# KiCad board EC_Rev2.kicad_pcb
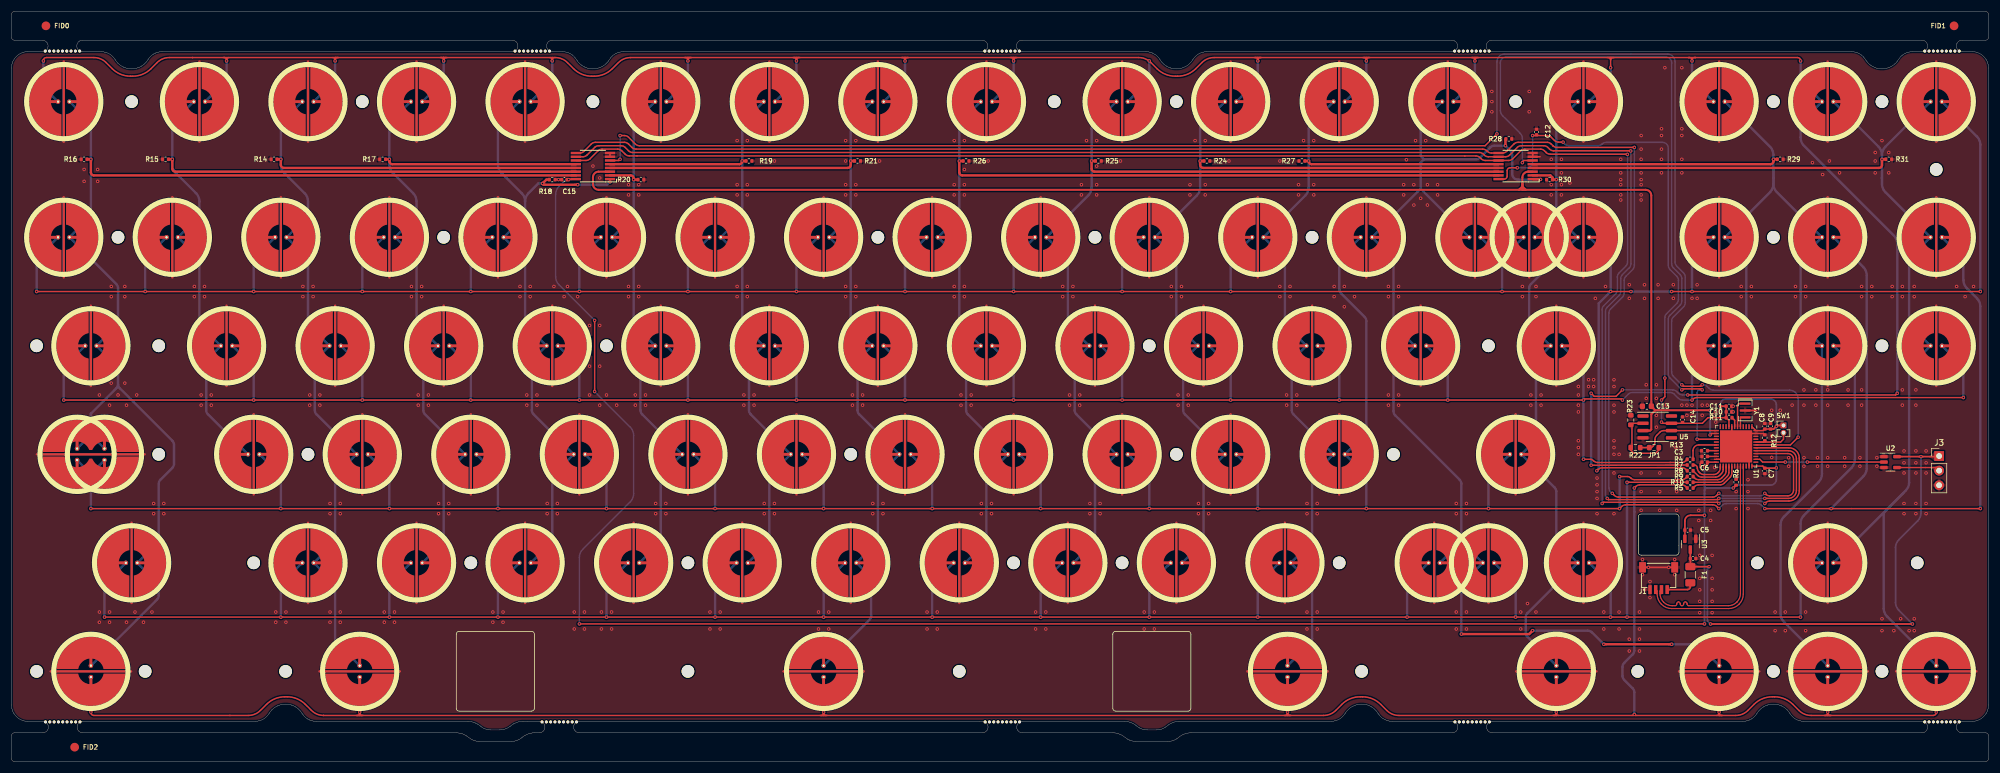
[diagram p0: board, top side]
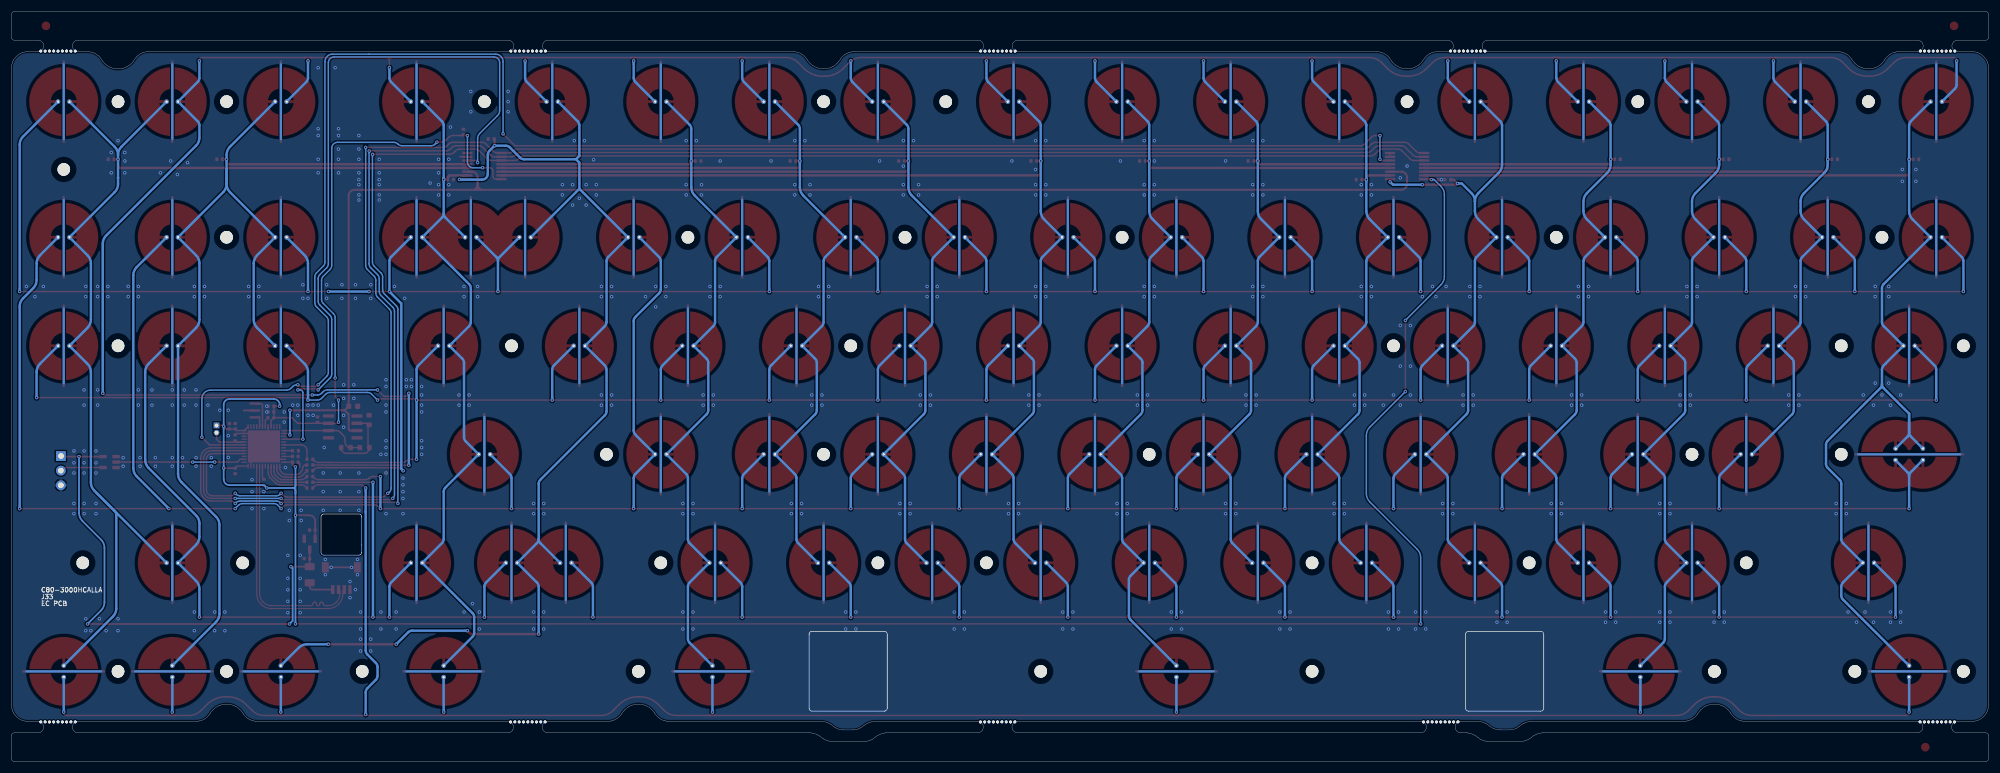
[diagram p1: board, bottom side, seen from below]

Outline 344.23 x 130.62 mm; copper layers: Top, Bottom. Coordinates in mm from the lower left corner of the outline.
Outline path: 5.38,123.62 2.85,123.62 arc(0.83,122.79) 0,120.78 0,9.85 arc(0.83,7.83) 2.85,7 5.42,7 ; 5.38,125.62 0.5,125.62 arc(0.15,125.77) 0,126.12 0,130.12 arc(0.15,130.48) 0.5,130.62 343.73,130.62 arc(344.08,130.48) 344.23,130.12 344.23,126.12 arc(344.08,125.77) 343.73,125.62 339.62,125.62 ; 5.42,5 0.5,5 arc(0.15,4.85) 0,4.5 0,0.5 arc(0.15,0.15) 0.5,0 343.73,0 arc(344.08,0.15) 344.23,0.5 344.23,4.5 arc(344.08,4.85) 343.73,5 339.62,5 ; 12.38,125.62 87.17,125.62 ; 12.38,123.62 15.6,123.62 arc(17,123.26) 18.04,122.25 arc(20.91,120.62) 23.78,122.25 arc(24.82,123.26) 26.22,123.62 87.17,123.62 ; 12.42,7 42.41,7 arc(43.82,7.37) 44.86,8.38 arc(47.73,10) 50.59,8.38 arc(51.63,7.37) 53.04,7 79.42,7 arc(80.58,6.79) 81.6,6.19 arc(82.47,5.68) 83.46,5.5 85.04,5.5 arc(86.03,5.68) 86.9,6.19 arc(87.92,6.79) 89.08,7 91.88,7 ; 12.42,5 77.42,5 arc(78.58,4.79) 79.6,4.19 arc(80.47,3.68) 81.46,3.5 87.04,3.5 arc(88.03,3.68) 88.9,4.19 arc(89.92,4.79) 91.08,5 91.88,5 ; 94.17,125.62 168.97,125.62 ; 94.17,123.62 95.93,123.62 arc(97.33,123.26) 98.37,122.25 arc(101.24,120.62) 104.11,122.25 arc(105.15,123.26) 106.55,123.62 168.97,123.62 ; 98.88,5 169.03,5 ; 98.88,7 169.03,7 ; 175.97,125.62 250.78,125.62 ; 176.03,5 191.72,5 arc(192.88,4.79) 193.9,4.19 arc(194.77,3.68) 195.76,3.5 201.34,3.5 arc(202.33,3.68) 203.2,4.19 arc(204.22,4.79) 205.38,5 250.83,5 ; 176.03,7 193.72,7 arc(194.88,6.79) 195.9,6.19 arc(196.77,5.68) 197.76,5.5 199.34,5.5 arc(200.33,5.68) 201.2,6.19 arc(202.22,6.79) 203.38,7 229.76,7 arc(231.17,7.37) 232.21,8.38 arc(235.07,10) 237.94,8.38 arc(238.98,7.37) 240.39,7 250.83,7 ; 175.97,123.62 197.51,123.62 arc(198.92,123.26) 199.96,122.25 arc(202.82,120.62) 205.69,122.25 arc(206.73,123.26) 208.14,123.62 250.78,123.62 ; 257.78,125.62 332.62,125.62 ; 257.78,123.62 320.36,123.62 arc(321.77,123.26) 322.81,122.25 arc(325.68,120.62) 328.54,122.25 arc(329.58,123.26) 330.99,123.62 332.62,123.62 ; 257.83,7 301.46,7 arc(302.87,7.37) 303.91,8.38 arc(306.78,10) 309.64,8.38 arc(310.68,7.37) 312.09,7 332.62,7 ; 257.83,5 332.62,5 ; 283.24,36.43 283.24,42.61 arc(283.39,42.96) 283.74,43.11 289.83,43.11 arc(290.18,42.96) 290.33,42.61 290.33,36.43 ; 283.24,36.43 arc(283.39,36.08) 283.74,35.93 289.83,35.93 arc(290.18,36.08) 290.33,36.43 ; 339.62,123.62 341.38,123.62 arc(343.39,122.79) 344.23,120.78 344.23,9.85 arc(343.39,7.83) 341.38,7 339.62,7
Stack: Top 0.035mm / dielectric 1.51mm FR4 er 4.5 / Bottom 0.035mm

## Placement (name value [footprint] x y rotation side)
C3  4.7u  [C_0402_1005Metric]  294.8 53.13 180 top
C4  1u  [C_0402_1005Metric]  292.79 35.35 0 top
C5  1u  [C_0402_1005Metric]  291.84 40.3 0 top
C6  100n  [C_0402_1005Metric]  294.8 52.13 180 top
C7  100n  [C_0402_1005Metric]  305.28 50.61 270 top
C8  100n  [C_0402_1005Metric]  305.28 58.38 90 top
C9  100n  [C_0402_1005Metric]  306.28 58.38 90 top
C10  100n  [C_0402_1005Metric]  299.03 60.88 0 top
C11  1u  [C_0402_1005Metric]  299.03 61.88 0 top
C12  100n  [C_0402_1005Metric]  265.53 109.63 270 top
C13  220p  [C_0603_1608Metric]  284.74 61.87 180 top
C14  100n  [C_0402_1005Metric]  290.95 59.54 270 top
C15  100n  [C_0402_1005Metric]  96.28 101.34 0 top
F1  500mA  [Fuse_1206_3216Metric]  292.31 32.53 270 top
FID0  MountingHole  [Fiducial_1.5mm_Mask3mm]  6 128.12 0 top
FID1  MountingHole  [Fiducial_1.5mm_Mask3mm]  338.23 128.12 0 top
FID2  MountingHole  [Fiducial_1.5mm_Mask3mm]  11 2.5 0 top
H1  MountingHole  [xcalla]  340.74 33.12 180 bottom
H2  MountingHole  [M2 screwhole]  20.91 114.92 0 top
H3  MountingHole  [breakaway-mousebites]  90.67 123.62 0 top
H4  MountingHole  [breakaway-mousebites]  336.12 7 180 top
H5  MountingHole  [breakaway-mousebites]  8.92 7 180 top
H6  MountingHole  [breakaway-mousebites]  254.28 123.62 0 top
H7  MountingHole  [breakaway-mousebites]  95.38 7 180 top
H8  MountingHole  [breakaway-mousebites]  8.88 123.62 0 top
H9  MountingHole  [breakaway-mousebites]  336.12 123.62 0 top
H10  MountingHole  [breakaway-mousebites]  172.47 123.62 0 top
H11  MountingHole  [breakaway-mousebites]  254.33 7 180 top
H12  MountingHole  [breakaway-mousebites]  172.53 7 180 top
H13  MountingHole  [M2 screwhole]  61.07 114.92 0 top
H14  MountingHole  [M2 screwhole]  101.24 114.92 0 top
H15  MountingHole  [M2 screwhole]  181.56 114.92 0 top
H16  MountingHole  [M2 screwhole]  202.83 114.92 0 top
H17  MountingHole  [M2 screwhole]  261.89 114.92 0 top
H18  MountingHole  [M2 screwhole]  325.68 114.92 0 top
H19  MountingHole  [M2 screwhole]  18.55 91.3 0 top
H20  MountingHole  [M2 screwhole]  75.25 91.3 0 top
H21  MountingHole  [M2 screwhole]  150.85 91.3 0 top
H22  MountingHole  [M2 screwhole]  226.45 91.3 0 top
H23  MountingHole  [M2 screwhole]  306.78 91.3 0 top
H24  MountingHole  [M2 screwhole]  25.64 72.4 0 top
H25  MountingHole  [M2 screwhole]  103.6 72.4 0 top
H26  MountingHole  [M2 screwhole]  198.1 72.4 0 top
H27  MountingHole  [M2 screwhole]  257.16 72.4 0 top
H28  MountingHole  [M2 screwhole]  325.68 72.4 0 top
H29  MountingHole  [M2 screwhole]  25.64 53.5 0 top
H30  MountingHole  [M2 screwhole]  51.62 53.5 0 top
H31  MountingHole  [M2 screwhole]  146.12 53.5 0 top
H32  MountingHole  [M2 screwhole]  240.63 53.5 0 top
H33  MountingHole  [M2 screwhole]  79.97 34.6 0 top
H34  MountingHole  [M2 screwhole]  193.38 34.6 0 top
H35  MountingHole  [M2 screwhole]  331.82 34.6 0 top
H36  MountingHole  [M2 screwhole]  23.27 15.7 0 top
H37  MountingHole  [M2 screwhole]  47.73 15.7 0 top
H38  MountingHole  [M2 screwhole]  117.78 15.7 0 top
H39  MountingHole  [M2 screwhole]  165.03 15.7 0 top
H40  MountingHole  [M2 screwhole]  235.07 15.7 0 top
H41  MountingHole  [M2 screwhole]  283.15 15.7 0 top
H42  MountingHole  [M2 screwhole]  303.98 34.6 0 top
H43  MountingHole  [M2 screwhole]  325.68 15.7 0 top
H44  MountingHole  [M2 screwhole]  188.65 91.3 0 top
H45  MountingHole  [M2 screwhole]  306.78 114.92 0 top
H46  MountingHole  [M2 screwhole]  202.83 53.5 0 top
H47  MountingHole  [M2 screwhole]  117.77 34.6 0 top
H48  MountingHole  [M2 screwhole]  174.48 34.6 0 top
H49  MountingHole  [M2 screwhole]  231.18 34.6 0 top
H50  MountingHole  [M2 screwhole]  42.17 34.6 0 top
H51  MountingHole  [M2 screwhole]  4.37 15.7 0 top
H52  MountingHole  [M2 screwhole]  4.37 72.4 0 top
H53  MountingHole  [M2 screwhole]  306.78 15.7 0 top
H54  MountingHole  [M2 screwhole]  335.13 103.11 0 top
J1  JST  [JST-SR-4]  286.78 31.88 180 top
J3  Conn_01x03  [PinHeader_1x03_P2.54mm_Vertical]  335.62 53.2 0 top
JP1  Ext_Res  [R_0603_1608Metric]  286 54.67 0 top
R4  100  [R_0402_1005Metric]  292.28 52.63 180 top
R5  100  [R_0402_1005Metric]  292.28 47.63 180 top
R6  100k  [R_0402_1005Metric]  300.28 48.63 270 top
R7  100  [R_0402_1005Metric]  292.28 51.63 0 top
R8  100  [R_0402_1005Metric]  292.28 50.63 0 top
R9  100  [R_0402_1005Metric]  292.28 49.63 180 top
R10  100  [R_0402_1005Metric]  292.28 48.63 0 top
R11  10k  [R_0402_1005Metric]  299.06 59.88 0 top
R12  10k  [R_0402_1005Metric]  305.28 56.38 90 top
R13  10k  [R_0402_1005Metric]  294.78 54.13 0 top
R14  100k  [R_0402_1005Metric]  45.72 104.88 180 top
R15  100k  [R_0402_1005Metric]  26.82 104.88 180 top
R16  100k  [R_0402_1005Metric]  12.64 104.88 180 top
R17  100k  [R_0402_1005Metric]  64.62 104.88 180 top
R18  100k  [R_0402_1005Metric]  94.15 101.34 0 top
R19  100k  [R_0402_1005Metric]  128.41 104.59 0 top
R20  100k  [R_0402_1005Metric]  109.59 101.34 0 top
R21  100k  [R_0402_1005Metric]  147.31 104.59 0 top
R22  100k  [R_0603_1608Metric]  282.75 54.67 180 top
R23  1k  [R_0603_1608Metric]  281.95 59.47 90 top
R24  100k  [R_0402_1005Metric]  208.14 104.59 0 top
R25  100k  [R_0402_1005Metric]  189.24 104.59 0 top
R26  100k  [R_0402_1005Metric]  166.21 104.59 0 top
R27  100k  [R_0402_1005Metric]  224.68 104.59 180 top
R28  100k  [R_0402_1005Metric]  260.71 108.43 0 top
R29  100k  [R_0402_1005Metric]  307.96 104.88 0 top
R30  100k  [R_0402_1005Metric]  267.79 101.34 180 top
R31  100k  [R_0402_1005Metric]  326.86 104.88 0 top
REF**  Value  [ecs_7U_space_stab]  141.4 15.72 0 top
REF**#2  Value  [ecs_plate_cut_7U_space_stab]  141.4 15.72 0 top
SW1  BOOT0  [PinHeader_1x02_P1.27mm_Vertical]  308.53 58.53 0 top
SW_EC1  Topre  [ecs_pad_1U_no_ring]  9.1 114.92 180 top
SW_EC2  Topre  [ecs_pad_1U_no_ring]  32.73 114.92 0 top
SW_EC3  Topre  [ecs_pad_1U_no_ring]  51.62 114.92 0 top
SW_EC4  Topre  [ecs_pad_1U_no_ring]  70.53 114.92 0 top
SW_EC5  Topre  [ecs_pad_1U_no_ring]  89.42 114.92 0 top
SW_EC6  Topre  [ecs_pad_1U_no_ring]  113.05 114.92 0 top
SW_EC7  Topre  [ecs_pad_1U_no_ring]  131.95 114.92 0 top
SW_EC8  Topre  [ecs_pad_1U_no_ring]  150.85 114.92 0 top
SW_EC9  Topre  [ecs_pad_1U_no_ring]  169.75 114.92 0 top
SW_EC10  Topre  [ecs_pad_1U_no_ring]  193.38 114.92 0 top
SW_EC11  Topre  [ecs_pad_1U_no_ring]  212.28 114.92 0 top
SW_EC12  Topre  [ecs_pad_1U_no_ring]  231.18 114.92 0 top
SW_EC13  Topre  [ecs_pad_1U_no_ring]  250.08 114.92 0 top
SW_EC14  Topre  [ecs_pad_1U_no_ring]  273.7 114.92 0 top
SW_EC15  Topre  [ecs_pad_1U_no_ring]  297.33 114.92 180 top
SW_EC16  Topre  [ecs_pad_1U_no_ring]  316.23 114.92 180 top
SW_EC17  Topre  [ecs_pad_1U_no_ring]  335.12 114.92 0 top
SW_EC18  Topre  [ecs_pad_1U_no_ring]  9.1 91.3 180 top
SW_EC19  Topre  [ecs_pad_1U_no_ring]  28 91.3 180 top
SW_EC20  Topre  [ecs_pad_1U_no_ring]  46.9 91.3 180 top
SW_EC21  Topre  [ecs_pad_1U_no_ring]  65.8 91.3 180 top
SW_EC22  Topre  [ecs_pad_1U_no_ring]  84.7 91.3 180 top
SW_EC23  Topre  [ecs_pad_1U_no_ring]  103.6 91.3 180 top
SW_EC24  Topre  [ecs_pad_1U_no_ring]  122.5 91.3 180 top
SW_EC25  Topre  [ecs_pad_1U_no_ring]  141.4 91.3 180 top
SW_EC26  Topre  [ecs_pad_1U_no_ring]  160.3 91.3 180 top
SW_EC27  Topre  [ecs_pad_1U_no_ring]  179.2 91.3 180 top
SW_EC28  Topre  [ecs_pad_1U_no_ring]  198.1 91.3 180 top
SW_EC29  Topre  [ecs_pad_1U_no_ring]  217 91.3 180 top
SW_EC30  Topre  [ecs_pad_1U_no_ring]  235.9 91.3 180 top
SW_EC31  1U  [ecs_pad_1U_no_ring]  254.8 91.3 0 top
SW_EC32  Topre  [ecs_pad_1U_no_ring]  297.33 91.3 180 top
SW_EC33  Topre  [ecs_pad_1U_no_ring]  316.23 91.3 0 top
SW_EC34  Topre  [ecs_pad_1U_no_ring]  335.12 91.3 0 top
SW_EC35  1.5U  [ecs_pad_1.5U_no_ring]  13.83 72.4 180 top
SW_EC36  Topre  [ecs_pad_1U_no_ring]  37.45 72.4 0 top
SW_EC37  Topre  [ecs_pad_1U_no_ring]  56.35 72.4 0 top
SW_EC38  Topre  [ecs_pad_1U_no_ring]  75.25 72.4 0 top
SW_EC39  Topre  [ecs_pad_1U_no_ring]  94.15 72.4 0 top
SW_EC40  Topre  [ecs_pad_1U_no_ring]  113.05 72.4 0 top
SW_EC41  Topre  [ecs_pad_1U_no_ring]  131.95 72.4 0 top
SW_EC42  Topre  [ecs_pad_1U_no_ring]  150.85 72.4 0 top
SW_EC43  Topre  [ecs_pad_1U_no_ring]  169.75 72.4 0 top
SW_EC44  Topre  [ecs_pad_1U_no_ring]  188.65 72.4 0 top
SW_EC45  Topre  [ecs_pad_1U_no_ring]  207.55 72.4 0 top
SW_EC46  Topre  [ecs_pad_1U_no_ring]  226.45 72.4 0 top
SW_EC47  Topre  [ecs_pad_1U_no_ring]  245.35 72.4 0 top
SW_EC48  1.5U  [ecs_pad_1.5U_no_ring]  268.98 72.4 0 top
SW_EC49  Topre  [ecs_pad_1U_no_ring]  297.33 72.4 180 top
SW_EC50  Topre  [ecs_pad_1U_no_ring]  316.23 72.4 0 top
SW_EC51  Topre  [ecs_pad_1U_no_ring]  335.12 72.4 0 top
SW_EC52  Stepped+Normal  [ecs_pad_no_ring_stepped&normal]  16.19 53.5 0 top
SW_EC53  Topre  [ecs_pad_1U_no_ring]  42.17 53.5 0 top
SW_EC54  Topre  [ecs_pad_1U_no_ring]  61.08 53.5 0 top
SW_EC55  Topre  [ecs_pad_1U_no_ring]  79.97 53.5 0 top
SW_EC56  Topre  [ecs_pad_1U_no_ring]  98.88 53.5 0 top
SW_EC57  Topre  [ecs_pad_1U_no_ring]  117.78 53.5 0 top
SW_EC58  Topre  [ecs_pad_1U_no_ring]  136.68 53.5 0 top
SW_EC59  Topre  [ecs_pad_1U_no_ring]  155.57 53.5 0 top
SW_EC60  Topre  [ecs_pad_1U_no_ring]  174.47 53.5 0 top
SW_EC61  Topre  [ecs_pad_1U_no_ring]  193.38 53.5 0 top
SW_EC62  Topre  [ecs_pad_1U_no_ring]  212.28 53.5 0 top
SW_EC63  Topre  [ecs_pad_1U_no_ring]  231.18 53.5 0 top
SW_EC64  2.25U  [ecs_pad_2.25U_no_ring]  261.89 53.5 180 top
SW_EC65  2.25U  [ecs_pad_2.25U_no_ring]  20.91 34.6 180 top
SW_EC66  Topre  [ecs_pad_1U_no_ring]  51.62 34.6 180 top
SW_EC67  Topre  [ecs_pad_1U_no_ring]  70.53 34.6 180 top
SW_EC68  Topre  [ecs_pad_1U_no_ring]  89.42 34.6 180 top
SW_EC69  Topre  [ecs_pad_1U_no_ring]  108.33 34.6 180 top
SW_EC70  Topre  [ecs_pad_1U_no_ring]  127.22 34.6 180 top
SW_EC71  Topre  [ecs_pad_1U_no_ring]  146.12 34.6 180 top
SW_EC72  Topre  [ecs_pad_1U_no_ring]  165.03 34.6 180 top
SW_EC73  Topre  [ecs_pad_1U_no_ring]  183.93 34.6 180 top
SW_EC74  Topre  [ecs_pad_1U_no_ring]  202.82 34.6 180 top
SW_EC75  Topre  [ecs_pad_1U_no_ring]  221.72 34.6 180 top
SW_EC76  2.75U  [ecs_pad_2.75U_no_ring]  257.16 34.6 0 top
SW_EC77  Topre  [ecs_pad_1U_no_ring]  316.23 34.6 180 top
SW_EC78  1.5U  [ecs_pad_1.5U_no_ring]  13.83 15.7 270 top
SW_EC79  1.5U  [ecs_pad_1.5U_no_ring]  60.62 15.7 270 top
SW_EC80  7U  [ecs_pad_7U_no_ring]  141.4 15.7 270 top
SW_EC81  1.5U  [ecs_pad_1.5U_no_ring]  222.18 15.7 270 top
SW_EC82  1.5U  [ecs_pad_1.5U_no_ring]  268.98 15.7 270 top
SW_EC83  Topre  [ecs_pad_1U_no_ring]  297.33 15.7 270 top
SW_EC84  Topre  [ecs_pad_1U_no_ring]  316.23 15.7 270 top
SW_EC85  Topre  [ecs_pad_1U_no_ring]  335.12 15.7 270 top
SW_EC86  2U  [ecs_pad_1U_no_ring]  264.25 91.3 180 top
SW_EC87  1U  [ecs_pad_1U_no_ring]  273.7 91.3 180 top
SW_EC88  1.75U  [ecs_pad_1.75U_no_ring]  247.71 34.6 180 top
SW_EC89  1U  [ecs_pad_1U_no_ring]  273.7 34.6 0 top
U1  STM32F401CBUx  [QFN-48-1EP_7x7mm_P0.5mm_EP5.6x5.6mm]  300.28 54.88 270 top
U2  SN74AHCT1G125  [SOT-23-5]  327.15 52.15 0 top
U3  ME6206A33M3G  [SOT-23]  292.31 37.85 270 top
U4  74HC4051  [TSSOP16]  101.24 103.7 90 top
U5  OPA350  [SOIC-8_3.9x4.9mm_P1.27mm]  286.55 58.27 0 top
U6  74HC4051  [TSSOP16]  261.89 103.7 90 top
Y1  8 MHz  [Resonator_SMD_Murata_CSTxExxV-3Pin_3.0x1.1mm]  301.85 61.13 270 top

## Library data of the parts
C3 = -: Description: Unpolarized capacitor; LCSC: C23733
C4 C5 C11 = -: Description: Unpolarized capacitor; LCSC: C52923
C6-C10 C12 C14 C15 = -: Description: Unpolarized capacitor; LCSC: C307331
C13 = -: Description: Unpolarized capacitor; LCSC: C1603
F1 = -: Description: Resettable fuse, polymeric positive temperature coefficient; LCSC: C70076
FID0-FID2 H1-H54 = -: Description: Mounting Hole without connection
J1 = -: Description: Generic connector, single row, 01x04, script generated (kicad-library-utils/schlib/autogen/connector/); LCSC: C145956
J3 = -: Description: Generic connector, single row, 01x03, script generated (kicad-library-utils/schlib/autogen/connector/)
JP1 SW1 = -: Description: Jumper, 2-pole, open
R4 R5 R7-R10 = -: Description: Resistor; LCSC: C25076
R6 R14-R21 R24-R31 = -: Description: Resistor; LCSC: C25741
R11-R13 = -: Description: Resistor; LCSC: C25744
R22 = -: Description: Resistor; LCSC: C25803
R23 = -: Description: Resistor; LCSC: C21190
U1 = -: Description: ARM Cortex-M4 MCU, 128KB flash, 64KB RAM, 84MHz, 1.7-3.6V, 36 GPIO, UFQFPN-48; LCSC: C118825
U2 = -: Description: Single Bus Buffer Gate With 3-State Output; LCSC: C7484
U3 = -: Description: Positive 60-250mA Low Dropout Regulator, Fixed Output, SOT-23; LCSC: C35259
U4 U6 = -: Description: 8-channel analog multiplexer/demultiplexer, DIP-16/SOIC-16/TSSOP-16; LCSC: C5645
U5 = -: LCSC: C13388
Y1 = -: Description: Three pin ceramic resonator, small symbol; LCSC: C907975

## Footprints (pads in the part's own frame, mm; a bottom-side part is the same pattern mirrored in y, then rotated)
breakaway-mousebites
  round 0.5 hole 0.5 unplated: (-3,0.104) (-2.25,0.104) (-1.5,0.104) (-0.75,0.104) (0,0.104) (0.75,0.104) (1.5,0.104) (2.25,0.104) (3,0.104)
C_0402_1005Metric
  rrect 0.56x0.62 smd: 1(-0.48,0) 2(0.48,0)
C_0603_1608Metric
  rrect 0.9x0.95 smd: 1(-0.775,0) 2(0.775,0)
ecs_pad_1.5U_no_ring
  custom 5.595x11.973 smd: 1(-1,0) 2(1,0)
  round 0.8 hole 0.4: 1(-1,0) 2(1,0)
  custom 0.4x14.4 smd: 3(0,0)
  custom 0.4x13.4 smd far side: 3(0,0)
ecs_pad_1.75U_no_ring
  custom 5.595x11.973 smd: 1(-1,0) 2(1,0)
  round 0.8 hole 0.4: 1(-1,0) 2(1,0)
  custom 0.4x14.4 smd: 3(0,0)
  custom 0.4x13.4 smd far side: 3(0,0)
ecs_pad_1U_no_ring
  custom 5.595x11.973 smd: 1(-1,0) 2(1,0)
  round 0.8 hole 0.4: 1(-1,0) 2(1,0)
  custom 0.4x14.4 smd: 3(0,0)
  custom 0.4x13.4 smd far side: 3(0,0)
ecs_pad_2.25U_no_ring
  custom 5.595x11.973 smd: 1(-1,0) 2(1,0)
  round 0.8 hole 0.4: 1(-1,0) 2(1,0)
  custom 0.4x14.4 smd: 3(0,0)
  custom 0.4x13.4 smd far side: 3(0,0)
ecs_pad_2.75U_no_ring
  custom 5.595x11.973 smd: 1(-1,0) 2(1,0)
  round 0.8 hole 0.4: 1(-1,0) 2(1,0)
  custom 0.4x14.4 smd: 3(0,0)
  custom 0.4x13.4 smd far side: 3(0,0)
ecs_pad_7U_no_ring
  custom 5.595x11.973 smd: 1(-1,0) 2(1,0)
  round 0.8 hole 0.4: 1(-1,0) 2(1,0)
  custom 0.4x14.4 smd: 3(0,0)
  custom 0.4x13.4 smd far side: 3(0,0)
ecs_pad_no_ring_stepped&normal
  round 0.8 hole 0.4: 1(-4.763,1.002) 1(0,1.002) 2(-4.763,-0.998) 2(0,-1.002)
  custom 16.734x5.595 smd: 1(0,1.002) 2(0,-1.002)
  custom 19.163x0.4 smd: 3(0,0)
  custom 18.163x0.4 smd far side: 3(0,0)
Fiducial_1.5mm_Mask3mm
  round 1.5 smd: (0,0)
Fuse_1206_3216Metric
  rrect 1.25x1.75 smd: 1(-1.4,0) 2(1.4,0)
JST-SR-4
  rect 0.6x1.55 smd: 1(-1.5,1.938) 2(-0.5,1.938) 3(0.5,1.938) 4(1.5,1.938)
  rect 1.2x1.8 smd: 4(-2.8,-1.938) 4(2.8,-1.938)
M2 screwhole
  round 2.2 hole 2.2 unplated: (0,0)
PinHeader_1x02_P1.27mm_Vertical
  rect 1x1 hole 0.65: 1(0,0)
  oval 1x1 hole 0.65: 2(0,-1.27)
PinHeader_1x03_P2.54mm_Vertical
  rect 1.7x1.7 hole 1: 1(0,0)
  oval 1.7x1.7 hole 1: 2(0,-2.54) 3(0,-5.08)
QFN-48-1EP_7x7mm_P0.5mm_EP5.6x5.6mm
  rrect 1.13x1.13 smd: (-2.1,2.1) (-2.1,0.7) (-2.1,-0.7) (-2.1,-2.1) (-0.7,2.1) (-0.7,0.7) (-0.7,-0.7) (-0.7,-2.1) (0.7,2.1) (0.7,0.7) (0.7,-0.7) (0.7,-2.1) (2.1,2.1) (2.1,0.7) (2.1,-0.7) (2.1,-2.1)
  rrect 0.875x0.25 smd: 1(-3.438,2.75) 2(-3.438,2.25) 3(-3.438,1.75) 4(-3.438,1.25) 5(-3.438,0.75) 6(-3.438,0.25) 7(-3.438,-0.25) 8(-3.438,-0.75) 9(-3.438,-1.25) 10(-3.438,-1.75) 11(-3.438,-2.25) 12(-3.438,-2.75) 25(3.438,-2.75) 26(3.438,-2.25) 27(3.438,-1.75) 28(3.438,-1.25) 29(3.438,-0.75) 30(3.438,-0.25) 31(3.438,0.25) 32(3.438,0.75) 33(3.438,1.25) 34(3.438,1.75) 35(3.438,2.25) 36(3.438,2.75)
  rrect 0.25x0.875 smd: 13(-2.75,-3.438) 14(-2.25,-3.438) 15(-1.75,-3.438) 16(-1.25,-3.438) 17(-0.75,-3.438) 18(-0.25,-3.438) 19(0.25,-3.438) 20(0.75,-3.438) 21(1.25,-3.438) 22(1.75,-3.438) 23(2.25,-3.438) 24(2.75,-3.438) 37(2.75,3.438) 38(2.25,3.438) 39(1.75,3.438) 40(1.25,3.438) 41(0.75,3.438) 42(0.25,3.438) 43(-0.25,3.438) 44(-0.75,3.438) 45(-1.25,3.438) 46(-1.75,3.438) 47(-2.25,3.438) 48(-2.75,3.438)
  rect 5.6x5.6 smd: 49(0,0)
R_0402_1005Metric
  rrect 0.54x0.64 smd: 1(-0.51,0) 2(0.51,0)
R_0603_1608Metric
  rrect 0.8x0.95 smd: 1(-0.825,0) 2(0.825,0)
Resonator_SMD_Murata_CSTxExxV-3Pin_3.0x1.1mm
  rrect 0.4x1.9 smd: 1(-1.2,0) 2(0,0) 3(1.2,0)
SOIC-8_3.9x4.9mm_P1.27mm
  rrect 1.95x0.6 smd: 1(-2.475,1.905) 2(-2.475,0.635) 3(-2.475,-0.635) 4(-2.475,-1.905) 5(2.475,-1.905) 6(2.475,-0.635) 7(2.475,0.635) 8(2.475,1.905)
SOT-23
  rrect 1.475x0.6 smd: 1(-0.938,0.95) 2(-0.938,-0.95) 3(0.938,0)
SOT-23-5
  rrect 1.325x0.6 smd: 1(-1.137,0.95) 2(-1.137,0) 3(-1.137,-0.95) 4(1.137,-0.95) 5(1.137,0.95)
TSSOP16
  rect 0.419x1.778 smd: 1(-2.273,-2.974) 2(-1.623,-2.974) 3(-0.973,-2.974) 4(-0.323,-2.974) 5(0.323,-2.974) 6(0.973,-2.974) 7(1.623,-2.974) 8(2.273,-2.974) 9(2.273,2.974) 10(1.623,2.974) 11(0.973,2.974) 12(0.323,2.974) 13(-0.323,2.974) 14(-0.973,2.974) 15(-1.623,2.974) 16(-2.273,2.974)

## Nets
+5V: C4.1 F1.1 J3.1 U2.5 U3.3
GND: C3.2 C4.2 C5.2 C6.2 C7.2 C8.2 C9.2 C10.2 C11.2 C12.1 C13.2 C14.1 C15.1 J1.4 J3.3 R12.2 R13.1 R14.2 R15.2 R16.2 R17.2 R18.2 R19.2 R20.2 R21.2 R23.2 R24.2 R25.2 R26.2 R27.2 R28.2 R29.2 R30.2 R31.2 SW_EC1.3 SW_EC2.3 SW_EC3.3 SW_EC4.3 SW_EC5.3 SW_EC6.3 SW_EC7.3 SW_EC8.3 SW_EC9.3 SW_EC10.3 SW_EC11.3 SW_EC12.3 SW_EC13.3 SW_EC14.3 SW_EC15.3 SW_EC16.3 SW_EC17.3 SW_EC18.3 SW_EC19.3 SW_EC20.3 SW_EC21.3 SW_EC22.3 SW_EC23.3 SW_EC24.3 SW_EC25.3 SW_EC26.3 SW_EC27.3 SW_EC28.3 SW_EC29.3 SW_EC30.3 SW_EC31.3 SW_EC32.3 SW_EC33.3 SW_EC34.3 SW_EC35.3 SW_EC36.3 SW_EC37.3 SW_EC38.3 SW_EC39.3 SW_EC40.3 SW_EC41.3 SW_EC42.3 SW_EC43.3 SW_EC44.3 SW_EC45.3 SW_EC46.3 SW_EC47.3 SW_EC48.3 SW_EC49.3 SW_EC50.3 SW_EC51.3 SW_EC52.3 SW_EC53.3 SW_EC54.3 SW_EC55.3 SW_EC56.3 SW_EC57.3 SW_EC58.3 SW_EC59.3 SW_EC60.3 SW_EC61.3 SW_EC62.3 SW_EC63.3 SW_EC64.3 SW_EC65.3 SW_EC66.3 SW_EC67.3 SW_EC68.3 SW_EC69.3 SW_EC70.3 SW_EC71.3 SW_EC72.3 SW_EC73.3 SW_EC74.3 SW_EC75.3 SW_EC76.3 SW_EC77.3 SW_EC78.3 SW_EC79.3 SW_EC80.3 SW_EC81.3 SW_EC82.3 SW_EC83.3 SW_EC84.3 SW_EC85.3 SW_EC86.3 SW_EC87.3 SW_EC88.3 SW_EC89.3 U1.8 U1.23 U1.35 U1.47 U1.49 U2.1 U2.3 U3.1 U4.7 U4.8 U5.4 U6.7 U6.8 Y1.2
VBAT: C5.1 C6.1 C7.1 C8.1 C9.1 C10.1 C11.1 C12.2 C14.2 C15.2 R6.2 R11.1 SW1.1 U1.1 U1.9 U1.24 U1.36 U1.48 U3.2 U4.16 U5.7 U6.16
VBUS: F1.2 J1.1
ADC: JP1.1 R22.1 U1.13 U5.6
AMUX_SEL_0: U1.42 U4.11 U6.11
AMUX_SEL_1: U1.41 U4.10 U6.10
AMUX_SEL_2: U1.40 U4.9 U6.9
APLEX_EN_PIN_0: U1.43 U4.6
APLEX_EN_PIN_1: U1.16 U6.6
APLEX_OUT_PIN_0: C13.1 U1.14 U4.3 U5.3 U6.3
BOOT0: R12.1 SW1.2 U1.44
BOOT1: R13.2 U1.20
COL0: R16.1 SW_EC1.1 SW_EC18.1 SW_EC35.1 SW_EC52.1 SW_EC65.1 SW_EC78.1 U4.15
COL1: R15.1 SW_EC2.1 SW_EC19.1 SW_EC36.1 SW_EC53.1 U4.14
COL2: R14.1 SW_EC3.1 SW_EC20.1 SW_EC37.1 SW_EC54.1 SW_EC66.1 SW_EC79.1 U4.13
COL3: R17.1 SW_EC4.1 SW_EC21.1 SW_EC38.1 SW_EC55.1 SW_EC67.1 U4.12
COL4: R18.1 SW_EC5.1 SW_EC22.1 SW_EC39.1 SW_EC56.1 SW_EC68.1 U4.1
COL5: R20.1 SW_EC6.1 SW_EC23.1 SW_EC40.1 SW_EC57.1 SW_EC69.1 U4.2
COL6: R19.1 SW_EC7.1 SW_EC24.1 SW_EC41.1 SW_EC58.1 SW_EC70.1 U4.5
COL7: R21.1 SW_EC8.1 SW_EC25.1 SW_EC42.1 SW_EC59.1 SW_EC71.1 SW_EC80.1 U4.4
COL8: R26.1 SW_EC9.1 SW_EC26.1 SW_EC43.1 SW_EC60.1 SW_EC72.1 U6.15
COL9: R25.1 SW_EC10.1 SW_EC27.1 SW_EC44.1 SW_EC61.1 SW_EC73.1 U6.14
COL10: R24.1 SW_EC11.1 SW_EC28.1 SW_EC45.1 SW_EC62.1 SW_EC74.1 U6.13
COL11: R27.1 SW_EC12.1 SW_EC29.1 SW_EC46.1 SW_EC63.1 SW_EC75.1 SW_EC81.1 U6.12
COL12: R28.1 SW_EC13.1 SW_EC30.1 SW_EC31.1 SW_EC47.1 SW_EC76.1 SW_EC83.1 SW_EC88.1 U6.1
COL13: R30.1 SW_EC14.1 SW_EC48.1 SW_EC64.1 SW_EC82.1 SW_EC86.1 SW_EC87.2 SW_EC89.1 U6.2
COL14: R29.1 SW_EC15.1 SW_EC32.1 SW_EC33.1 SW_EC49.1 SW_EC50.1 SW_EC84.1 U6.5
COL15: R31.1 SW_EC16.1 SW_EC17.1 SW_EC34.1 SW_EC51.1 SW_EC77.1 SW_EC85.1 U6.4
D+: J1.3 U1.33
D-: J1.2 U1.32
LED_3V3: U1.38 U2.2
LED_5V: J3.2 U2.4
NRST: R11.2 U1.7
ROW0: R7.1 SW_EC1.2 SW_EC2.2 SW_EC3.2 SW_EC4.2 SW_EC5.2 SW_EC6.2 SW_EC7.2 SW_EC8.2 SW_EC9.2 SW_EC10.2 SW_EC11.2 SW_EC12.2 SW_EC13.2 SW_EC14.2 SW_EC15.2 SW_EC16.2
ROW1: R8.1 SW_EC17.2 SW_EC18.2 SW_EC19.2 SW_EC20.2 SW_EC21.2 SW_EC22.2 SW_EC23.2 SW_EC24.2 SW_EC25.2 SW_EC26.2 SW_EC27.2 SW_EC28.2 SW_EC29.2 SW_EC31.2 SW_EC32.2 SW_EC86.2 SW_EC87.1